# Altium PCB AMC_Single_Panel.PcbDoc (part 1 of 5) (continued)
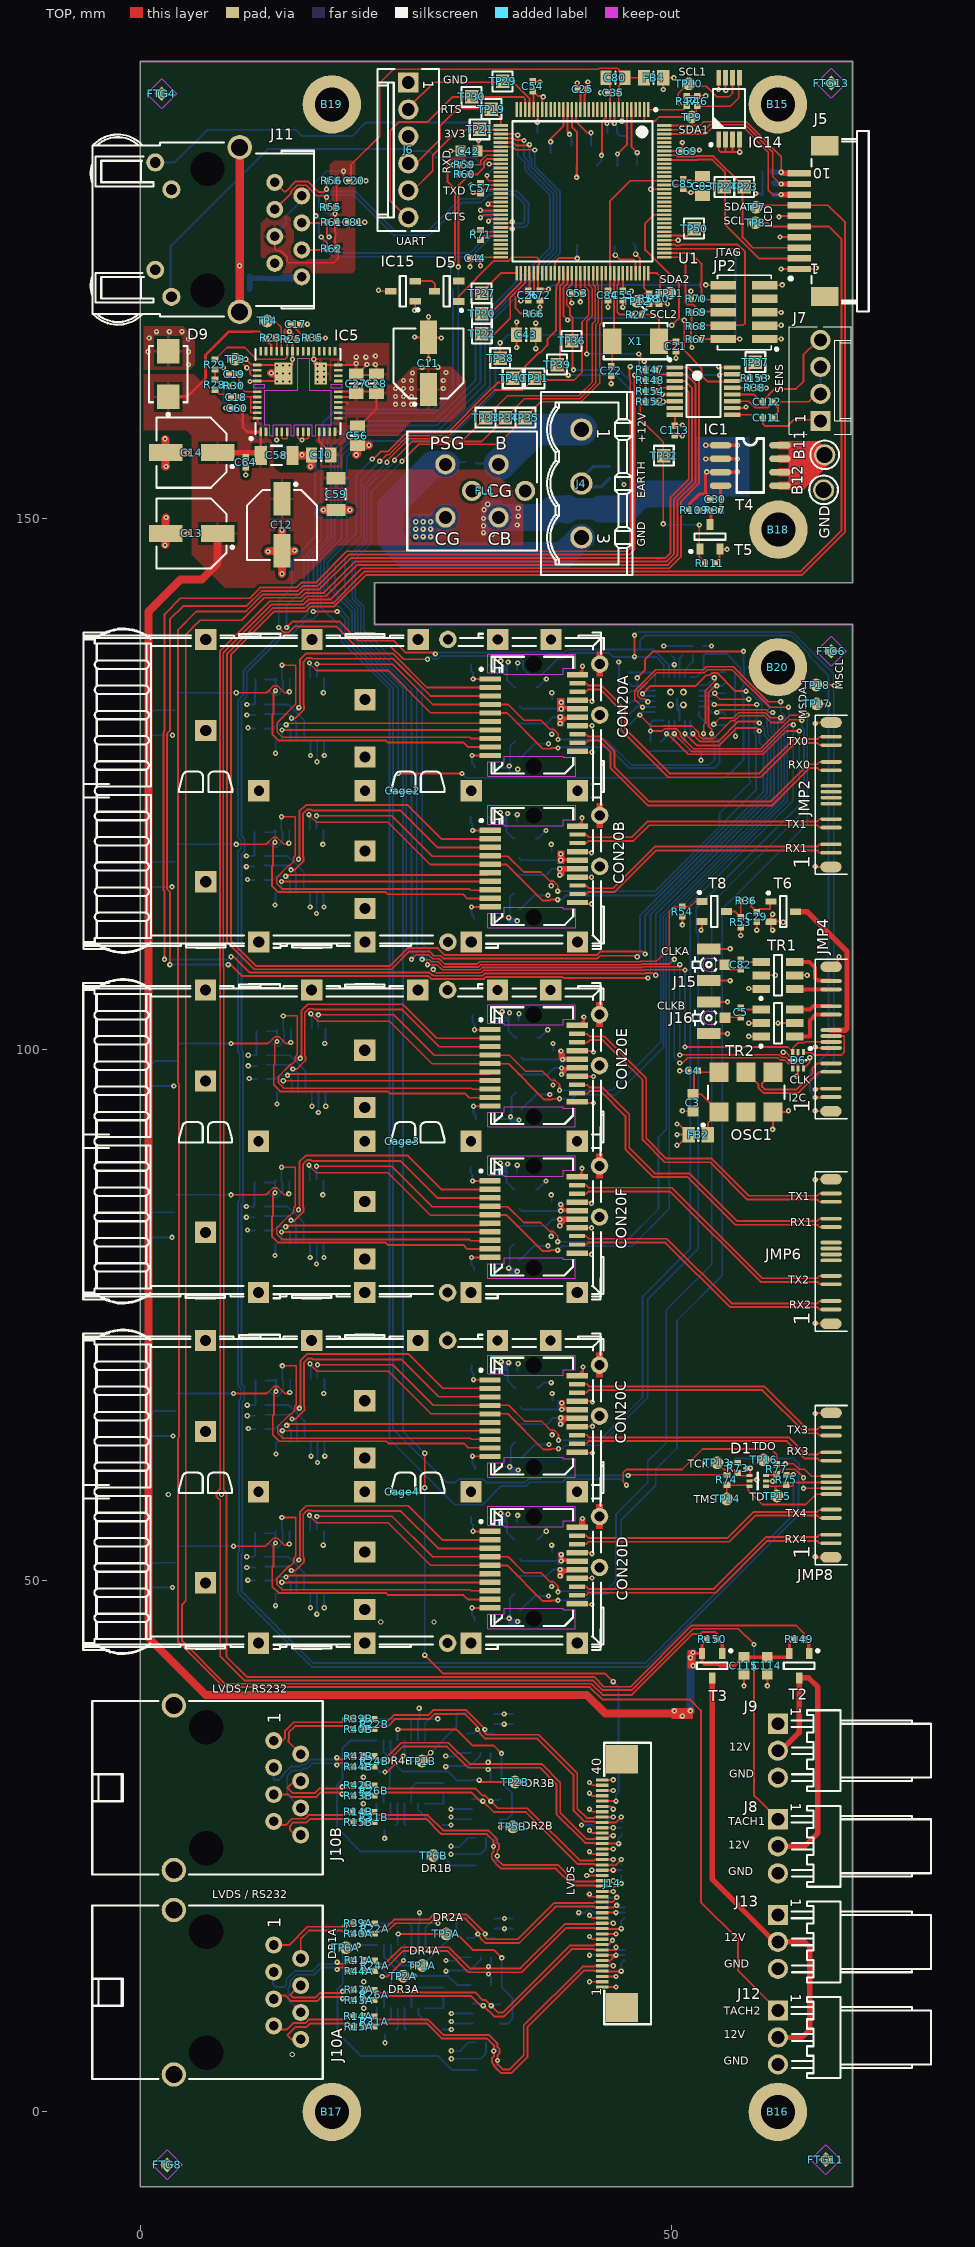
[diagram p0: TOP view]
## Components (designator, comment, footprint, x,y, rotation, side; value= is the part's Value field where it differs from the comment)
B11 "Plated Hole" c200h150 64.4,156 r90 top
B12 "Plated Hole" c200h150 64.3,152.7 r90 top
B15 "Plated Hole" MTG320_550 60,189 r0 top locked
B16 "Plated Hole" MTG320_550 60,0 r0 top
B17 "Plated Hole" MTG320_550 18,0 r0 top
B18 "Plated Hole" MTG320_550 60.05,148.95 r0 top locked
B19 "Plated Hole" MTG320_550 18,189 r0 top locked
B20 "Plated Hole" MTG320_550 60,136 r0 top locked
C3 "1uF" CAPC1608X87N 52,95 r90 top
C4 "100nF" CAPC1005X55N 52,98 r0 top
C5 "100nF" CAPC1005X55N 56.5,103.5 r270 top
C6A "100nF" CAPC1005X55N 35.03,17.75 r90 bottom (schematic designator C6)
C6B "100nF" CAPC1005X55N 35,37 r90 bottom (schematic designator C6)
C7A "100nF" CAPC1005X55N 30.03,5.25 r90 bottom (schematic designator C7)
C7B "100nF" CAPC1005X55N 30,24.5 r90 bottom (schematic designator C7)
C8A "100nF" CAPC1005X55N 30,9 r270 bottom (schematic designator C8)
C8B "100nF" CAPC1005X55N 29.97,28.25 r270 bottom (schematic designator C8)
C9A "100nF" CAPC1005X55N 29.53,13.75 r90 bottom (schematic designator C9)
C9B "100nF" CAPC1005X55N 29.5,33 r90 bottom (schematic designator C9)
C10 "10uF" CAPC2012X135N 17,156 r0 top
C11 "100uF" CAPAE660X540N 27.1,164.6 r90 top
C12 "100uF" CAPAE660X540N 13.3,149.4 r270 top
C13 "100uF" CAPAE660X540N 4.8,148.6 r180 top
C14 "100uF" CAPAE660X540N 4.8,156.2 r180 top
C17 "1nF" CAPC1005X55N 14.6,168.3 r0 top
C18 "100nF" CAPC1005X55N 9,161.4 r0 top
C19 "12pF" CAPC1005X55N 8.8,163.6 r0 top
C20 "100nF" CAPC1005X55N 20.1,181.8 r180 top
C21 "12pF" CAPC1005X55N 50.4,166.2 r270 top
C22 "12pF" CAPC1005X55N 44.3,163.9 r270 top
C23 "100nF" CAPC1005X55N 44.4,186.3 r0 bottom
C24 "1nF" CAPC1005X55N 9.8,171.6 r0 bottom
C25 "100nF" CAPC1005X55N 41.6,190.4 r0 top
C26 "100nF" CAPC1005X55N 36.5,171 r90 top
C27 "10uF" CAPC2012X135N 20.3,162.7 r270 top
C28 "10uF" CAPC2012X135N 22.2,162.7 r270 top
C29 "100nF" CAPC1005X55N 58,112.5 r270 top
C30 "100nF" CAPC1005X55N 54.1,151.8 r180 top
C35 "100nF" CAPC1005X55N 44.5,190.1 r180 top
C42 "1uF" CAPC1608X87N 30.9,184.6 r0 top
C43 "10uF" CAPC2012X135N 36.3,167.3 r180 top
C44 "100nF" CAPC1005X55N 31.5,174.5 r0 top
C45A "10uF" CAPC2012X135N 37.25,129.75 r270 bottom (schematic designator C45)
C45B "10uF" CAPC2012X135N 37.205,115.476 r270 bottom (schematic designator C45)
C45C "10uF" CAPC2012X135N 37.293,63.78 r270 bottom (schematic designator C45)
C45D "10uF" CAPC2012X135N 37.242,49.506 r270 bottom (schematic designator C45)
C45E "10uF" CAPC2012X135N 37.38,96.726 r270 bottom (schematic designator C45)
C45F "10uF" CAPC2012X135N 37.205,82.476 r270 bottom (schematic designator C45)
C46A "100nF" CAPC1005X55N 38.75,130.75 r270 bottom (schematic designator C46)
C46B "100nF" CAPC1005X55N 38.705,116.476 r270 bottom (schematic designator C46)
C46C "100nF" CAPC1005X55N 38.793,64.78 r270 bottom (schematic designator C46)
C46D "100nF" CAPC1005X55N 38.742,50.506 r270 bottom (schematic designator C46)
C46E "100nF" CAPC1005X55N 38.88,97.726 r270 bottom (schematic designator C46)
C46F "100nF" CAPC1005X55N 38.705,83.476 r270 bottom (schematic designator C46)
C47A "10uF" CAPC2012X135N 32,136 r180 bottom (schematic designator C47)
C47B "10uF" CAPC2012X135N 31.955,121.976 r180 bottom (schematic designator C47)
C47C "10uF" CAPC2012X135N 32.043,70.28 r180 bottom (schematic designator C47)
C47D "10uF" CAPC2012X135N 31.992,56.006 r180 bottom (schematic designator C47)
C47E "10uF" CAPC2012X135N 32.13,103.226 r180 bottom (schematic designator C47)
C47F "10uF" CAPC2012X135N 31.955,88.976 r180 bottom (schematic designator C47)
C48A "1uF" CAPC1608X87N 32.25,126.5 r0 bottom (schematic designator C48)
C48B "1uF" CAPC1608X87N 32.205,112.226 r0 bottom (schematic designator C48)
C48C "1uF" CAPC1608X87N 32.293,60.53 r0 bottom (schematic designator C48)
C48D "1uF" CAPC1608X87N 32.242,46.256 r0 bottom (schematic designator C48)
C48E "1uF" CAPC1608X87N 32.38,93.476 r0 bottom (schematic designator C48)
C48F "1uF" CAPC1608X87N 32.205,79.226 r0 bottom (schematic designator C48)
C49A "100nF" CAPC1005X55N 35.25,127.5 r0 bottom (schematic designator C49)
C49B "100nF" CAPC1005X55N 35.205,113.226 r0 bottom (schematic designator C49)
C49C "100nF" CAPC1005X55N 35.293,61.53 r0 bottom (schematic designator C49)
C49D "100nF" CAPC1005X55N 35.242,47.256 r0 bottom (schematic designator C49)
C49E "100nF" CAPC1005X55N 35.38,94.476 r0 bottom (schematic designator C49)
C49F "100nF" CAPC1005X55N 35.205,80.226 r0 bottom (schematic designator C49)
C50A "100nF" CAPC1005X55N 35,135.75 r0 bottom (schematic designator C50)
C50B "100nF" CAPC1005X55N 34.955,121.476 r0 bottom (schematic designator C50)
C50C "100nF" CAPC1005X55N 35.043,69.78 r0 bottom (schematic designator C50)
C50D "100nF" CAPC1005X55N 34.992,55.506 r0 bottom (schematic designator C50)
C50E "100nF" CAPC1005X55N 35.13,102.726 r0 bottom (schematic designator C50)
C50F "100nF" CAPC1005X55N 34.955,88.476 r0 bottom (schematic designator C50)
C51A "10uF" CAPC2012X135N 37.25,133.25 r90 bottom (schematic designator C51)
C51B "10uF" CAPC2012X135N 37.205,118.976 r90 bottom (schematic designator C51)
C51C "10uF" CAPC2012X135N 37.293,67.28 r90 bottom (schematic designator C51)
C51D "10uF" CAPC2012X135N 37.242,53.006 r90 bottom (schematic designator C51)
C51E "10uF" CAPC2012X135N 37.38,100.226 r90 bottom (schematic designator C51)
C51F "10uF" CAPC2012X135N 37.205,85.976 r90 bottom (schematic designator C51)
C52A "100nF" CAPC1005X55N 38.75,132.5 r90 bottom (schematic designator C52)
C52B "100nF" CAPC1005X55N 38.705,118.226 r90 bottom (schematic designator C52)
C52C "100nF" CAPC1005X55N 38.793,66.53 r90 bottom (schematic designator C52)
C52D "100nF" CAPC1005X55N 38.742,52.256 r90 bottom (schematic designator C52)
C52E "100nF" CAPC1005X55N 38.88,99.476 r90 bottom (schematic designator C52)
C52F "100nF" CAPC1005X55N 38.705,85.226 r90 bottom (schematic designator C52)
C53 "100nF" CAPC1005X55N 41.1,171.2 r180 top
C54 "100nF" CAPC1005X55N 36.9,190.7 r270 top
C55 "100nF" CAPC1005X55N 45.4,171 r90 top
C56 "10uF" CAPC2012X135N 20.4,157.8 r90 top
C57 "100nF" CAPC1005X55N 32,181.1 r90 top
C58 "10uF" CAPC3216X140N 12.8,155.95 r180 top
C59 "10uF" CAPC3216X140N 18.4,152.3 r90 top
C60 "100nF" CAPC1005X55N 9.1,160.4 r0 top
C63 "100nF" CAPC1005X55N 31.1,155.3 r0 bottom
C64 "100nF" CAPC1005X55N 9.9,155.3 r90 top
C67A "100nF" CAPC1005X55N 26.75,17.75 r0 bottom (schematic designator C67)
C67B "100nF" CAPC1005X55N 26.72,37 r0 bottom (schematic designator C67)
C69 "100nF" CAPC1005X55N 51.4,184.6 r180 top
C70A "100nF" CAPC1005X55N 28.53,11.25 r270 bottom (schematic designator C70)
C70B "100nF" CAPC1005X55N 28.5,30.5 r270 bottom (schematic designator C70)
C71A "100nF" CAPC1005X55N 24.53,7.75 r0 bottom (schematic designator C71)
C71B "100nF" CAPC1005X55N 24.5,27 r0 bottom (schematic designator C71)
C72A "100nF" CAPC1005X55N 28.03,7.75 r0 bottom (schematic designator C72)
C72B "100nF" CAPC1005X55N 28,27 r0 bottom (schematic designator C72)
C73 "1nF" CAPC1005X55N 44.6,153.8 r180 bottom
C80 "10uF" CAPC2012X135N 44.7,191.5 r180 top
C81 "100nF" CAPC1005X55N 20,177.9 r180 top
C82 "100nF" CAPC1005X55N 56.5,108 r270 top
C83 "10uF" CAPC2012X135N 52.9,181.3 r270 top
C84 "100nF" CAPC1005X55N 44,171 r90 top
C85 "100nF" CAPC1005X55N 51.1,181.5 r90 top
C88A "100nF" CAPC1005X55N 23,7.75 r270 bottom (schematic designator C88)
C88B "100nF" CAPC1005X55N 22.97,27 r270 bottom (schematic designator C88)
C111 "1nF" CAPC1005X55N 59,159.5 r180 top
C112 "1nF" CAPC1005X55N 59,161 r180 top
C113 "100nF" CAPC1005X55N 50.3,158.3 r90 top
C114 "1uF" CAPC1608X87N 59,42 r90 top
C115 "1uF" CAPC1608X87N 56.8,42 r90 top
C175 "100nF" CAPC1005X55N 50,137.55 r270 bottom
Cage2 "SFP+" TYCO_2007263-1 37.025,124.375 r0 top locked
Cage3 "SFP+" TYCO_2007263-1 37,91.375 r0 top locked
Cage4 "SFP+" TYCO_2007263-1 37,58.375 r0 top locked
CON20A "1888247-1" TYCO_1888247-1 37.025,131.5 r0 top (schematic designator CON20)
CON20B "1888247-1" TYCO_1888247-1 37.025,117.25 r0 top (schematic designator CON20)
CON20C "1888247-1" TYCO_1888247-1 37,65.5 r0 top (schematic designator CON20)
CON20D "1888247-1" TYCO_1888247-1 37,51.25 r0 top (schematic designator CON20)
CON20E "1888247-1" TYCO_1888247-1 37,98.5 r0 top (schematic designator CON20)
CON20F "1888247-1" TYCO_1888247-1 37,84.25 r0 top (schematic designator CON20)
D1 "NUP4114UPXV6T1G" SOTFL50P160X60-6N 58.1,59.4 r0 top
D3A "Device" SOTFL50P160X60-6N 44.75,18.75 r180 bottom (schematic designator D3)
D3B "Device" SOTFL50P160X60-6N 44.5,26.75 r180 bottom (schematic designator D3)
D4A "Device" SOTFL50P160X60-6N 44.75,14.75 r180 bottom (schematic designator D4)
D4B "Device" SOTFL50P160X60-6N 44.5,22.75 r180 bottom (schematic designator D4)
D5 "BAT54" SOT95P240X130-3N 28.8,171.4 r180 top
D6 "NUP4114UPXV6T1G" SOTFL50P160X60-6N 61.9,99 r270 top
D7 "NUP4114UPXV6T1G" SOTFL50P160X60-6N 17.3,178.5 r90 bottom
D9 "SMBJ12A" DIOM5336X265N 2.6,163.6 r90 top
FB2 "220R@100MHz" INDC2012X105N 52.5,92 r0 top
FB4 "220R@100MHz" INDC2012X105N 48.3,191.5 r180 top
FB5A "220R@100MHz" INDC2012X105N 35.25,129.75 r90 bottom (schematic designator FB5)
FB5B "220R@100MHz" INDC2012X105N 35.205,115.476 r90 bottom (schematic designator FB5)
FB5C "220R@100MHz" INDC2012X105N 35.293,63.78 r90 bottom (schematic designator FB5)
FB5D "220R@100MHz" INDC2012X105N 35.242,49.506 r90 bottom (schematic designator FB5)
FB5E "220R@100MHz" INDC2012X105N 35.38,96.726 r90 bottom (schematic designator FB5)
FB5F "220R@100MHz" INDC2012X105N 35.205,82.476 r90 bottom (schematic designator FB5)
FB6A "220R@100MHz" INDC2012X105N 35.25,133.25 r270 bottom (schematic designator FB6)
FB6B "220R@100MHz" INDC2012X105N 35.205,118.976 r270 bottom (schematic designator FB6)
FB6C "220R@100MHz" INDC2012X105N 35.293,67.28 r270 bottom (schematic designator FB6)
FB6D "220R@100MHz" INDC2012X105N 35.242,53.006 r270 bottom (schematic designator FB6)
FB6E "220R@100MHz" INDC2012X105N 35.38,100.226 r270 bottom (schematic designator FB6)
FB6F "220R@100MHz" INDC2012X105N 35.205,85.976 r270 bottom (schematic designator FB6)
FL1 "15A/25VDC" FIL_MURATA_BNX016 31.2,152.6 r0 top
FTG3 "Use only in PCB" FIDUCIAL_TOP_S100-200 2.5,-5 r90 bottom
FTG4 "Use only in PCB" FIDUCIAL_TOP_S100-200 2,190 r90 top
FTG6 "Use only in PCB" FIDUCIAL_TOP_S100-200 65,137.5 r90 top
FTG8 "Use only in PCB" FIDUCIAL_TOP_S100-200 2.5,-5 r90 top
FTG9 "Use only in PCB" FIDUCIAL_TOP_S100-200 64.5,-4.5 r90 bottom
FTG10 "Use only in PCB" FIDUCIAL_TOP_S100-200 65,191 r90 bottom
FTG11 "Use only in PCB" FIDUCIAL_TOP_S100-200 64.5,-4.5 r90 top
FTG12 "Use only in PCB" FIDUCIAL_TOP_S100-200 65,137.5 r90 bottom
FTG13 "Use only in PCB" FIDUCIAL_TOP_S100-200 65,191 r90 top
IC1 "MAX6639AEE+" SOP63P600X175-16N 53,162 r0 top
IC2A "SN65LVDS2DBVR" SOT95P280X145-5N 32.03,17.25 r180 bottom (schematic designator IC2)
IC2B "SN65LVDS2DBVR" SOT95P280X145-5N 32,36.5 r180 bottom (schematic designator IC2)
IC3A "PCA9534PW" SOP65P640X110-16N 15,132 r90 bottom (schematic designator IC3)
IC3B "PCA9534PW" SOP65P640X110-16N 14.955,117.726 r90 bottom (schematic designator IC3)
IC3C "PCA9534PW" SOP65P640X110-16N 15.043,66.03 r90 bottom (schematic designator IC3)
IC3D "PCA9534PW" SOP65P640X110-16N 14.992,51.756 r90 bottom (schematic designator IC3)
IC3E "PCA9534PW" SOP65P640X110-16N 15.13,98.976 r90 bottom (schematic designator IC3)
IC3F "PCA9534PW" SOP65P640X110-16N 14.955,84.726 r90 bottom (schematic designator IC3)
IC4A "SN65LVDS2DBVR" SOT95P280X145-5N 32.03,13.25 r270 bottom (schematic designator IC4)
IC4B "SN65LVDS2DBVR" SOT95P280X145-5N 32,32.5 r270 bottom (schematic designator IC4)
IC5 "MIC45116-1YMP" MICROCHIP_H3QFN88-52LD-PL-3 14.8,161.95 r90 top
IC10A "MAX3232CPW" SOP65P640X120-16N 24.53,12.75 r90 bottom (schematic designator IC10)
IC10B "MAX3232CPW" SOP65P640X120-16N 24.5,32 r90 bottom (schematic designator IC10)
IC11A "SN65LVDS1DBVT" SOT95P280X145-5N 32.53,9.25 r0 bottom (schematic designator IC11)
IC11B "SN65LVDS1DBVT" SOT95P280X145-5N 32.5,28.5 r0 bottom (schematic designator IC11)
IC13A "SN65LVDS1DBVT" SOT95P280X145-5N 32.53,5.25 r270 bottom (schematic designator IC13)
IC13B "SN65LVDS1DBVT" SOT95P280X145-5N 32.5,24.5 r270 bottom (schematic designator IC13)
IC14 "AT24MAC602-XHM-T" TSSOP-8 55.4,188.6 r90 top
IC15 "STM809SWX6F" SOT95P237X112-3N 24.7,171.4 r180 top
IC16 "MAX7357ETG+" HVQFN24 50.5,133.05 r180 bottom
J4 "Family" PHOENIX_1755749 41.5,153.3 r270 top locked
J5 "FFC" "WURTH_686 110 144 22" 62,178 r90 top locked
J6 "KK®" MOLEX_22-27-2061 25.2,184.7 r270 top locked
J7 "KK®" MOLEX_22-27-2041 64,163 r90 top locked
J8 "KK®" MOLEX_22-05-7038 60,25 r270 top locked
J9 "KK®" MOLEX_22-05-7038 60,34 r270 top locked
J10A "RJ45" FCI_95678-001LF 13.8,11.26 r90 top locked (schematic designator J10)
J10B "RJ45" FCI_95678-001LF 13.8,30.51 r90 top locked (schematic designator J10)
J11 "RJ45" TYCO_5-6605308-1 13.9,177.2 r270 top locked
J12 "KK®" MOLEX_22-05-7038 60,7 r270 top locked
J13 "KK®" MOLEX_22-05-7038 60,16 r270 top locked
J14 "68714014022" 68714014022 45.5,21.5 r90 top locked
J15 "U.FL" HIROSE_U.FL-R-SMT-1(10) 53.5,108 r90 top
J16 "U.FL" HIROSE_U.FL-R-SMT-1(10) 53.5,103 r90 top
JMP2 "DNP" 3M_Twinax_SL8801/12-10DA5-00 65,124 r90 top
JMP4 "DNP" 3M_Twinax_SL8801/12-10DA5-00 65,101 r90 top
JMP6 "DNP" 3M_Twinax_SL8801/12-10DA5-00 65,81 r90 top
JMP8 "DNP" 3M_Twinax_SL8801/12-10DA5-00 65,59 r90 top
JP2 "PLHTD10S-TR-CV" PLHTD10S-TR-CV 56.8,172.6 r90 top
LD1A "LED_AVAGO_HSME-C120" LED_AVAGO_HSME-C120 1,130.6 r270 bottom locked (schematic designator LD1)
LD1B "LED_AVAGO_HSME-C120" LED_AVAGO_HSME-C120 0.955,116.326 r270 bottom locked (schematic designator LD1)
LD1C "LED_AVAGO_HSME-C120" LED_AVAGO_HSME-C120 1.043,64.63 r270 bottom locked (schematic designator LD1)
LD1D "LED_AVAGO_HSME-C120" LED_AVAGO_HSME-C120 0.992,50.356 r270 bottom locked (schematic designator LD1)
LD1E "LED_AVAGO_HSME-C120" LED_AVAGO_HSME-C120 1.13,97.576 r270 bottom locked (schematic designator LD1)
LD1F "LED_AVAGO_HSME-C120" LED_AVAGO_HSME-C120 0.955,83.326 r270 bottom locked (schematic designator LD1)
OSC1 "100MHz" OSC_CRYSTEK_CCLD-033 57,96 r90 top
R14A "0" RESC1005X40N#1 20.5,9 r0 top (schematic designator R14)
R14B "0" RESC1005X40N#1 20.47,28.25 r0 top (schematic designator R14)
R15A "0" RESC1005X40N#1 20.53,8 r0 top (schematic designator R15)
R15B "0" RESC1005X40N#1 20.5,27.25 r0 top (schematic designator R15)
R16A "0" RESC1005X40N#1 20.5,17.75 r0 bottom (schematic designator R16)
R16B "0" RESC1005X40N#1 20.47,37 r0 bottom (schematic designator R16)
R17A "0" RESC1005X40N#1 20.53,14.25 r0 bottom (schematic designator R17)
R17B "0" RESC1005X40N#1 20.5,33.5 r0 bottom (schematic designator R17)
R18A "0" RESC1005X40N#1 20.53,11.5 r0 bottom (schematic designator R18)
R18B "0" RESC1005X40N#1 20.5,30.75 r0 bottom (schematic designator R18)
R19A "0" RESC1005X40N#1 20.53,10.5 r0 bottom (schematic designator R19)
R19B "0" RESC1005X40N#1 20.5,29.75 r0 bottom (schematic designator R19)
R20A "0" RESC1005X40N#1 20.53,13.25 r0 bottom (schematic designator R20)
R20B "0" RESC1005X40N#1 20.5,32.5 r0 bottom (schematic designator R20)
R21A "0" RESC1005X40N#1 20.53,8 r0 bottom (schematic designator R21)
R21B "0" RESC1005X40N#1 20.5,27.25 r0 bottom (schematic designator R21)
R22A "100" RESC1005X40N#1 22.03,17.25 r90 top (schematic designator R22)
R22B "100" RESC1005X40N#1 22,36.5 r90 top (schematic designator R22)
R23 "10k" RESC1005X40N#1 12.25,167 r180 top
R24A "100" RESC1005X40N#1 22.03,13.75 r90 top (schematic designator R24)
R24B "100" RESC1005X40N#1 22,33 r90 top (schematic designator R24)
R25 "2k4" RESC1005X40N#1 14.2,166.9 r180 top
R26A "100" RESC1005X40N#1 22,11 r90 top (schematic designator R26)
R26B "100" RESC1005X40N#1 21.97,30.25 r90 top (schematic designator R26)
R27 "2k" RESC1005X40N#1 46.7,169.2 r0 top
R28 "10k" RESC1005X40N#1 7,162.6 r270 top
R29 "10k" RESC1005X40N#1 7,164.5 r270 top
R30 "1k6" RESC1005X40N#1 8.8,162.5 r180 top
R31A "100" RESC1005X40N#1 22,8.5 r90 top (schematic designator R31)
R31B "100" RESC1005X40N#1 21.97,27.75 r90 top (schematic designator R31)
R32 "49R9" RESC1005X40N#1 45.9,186.3 r90 bottom
R33 "10k" RESC1005X40N#1 9.811,172.799 r0 bottom
R35 "7k5" RESC1005X40N#1 16.2,167 r0 top
R36 "10k" RESC1005X40N#1 57,114 r180 top
R37 "10k" RESC1005X40N#1 54.1,150.8 r180 top
R38 "49R9" RESC1005X40N#1 57.8,162.3 r0 top
R39A "0" RESC1005X40N#1 20.5,17.75 r0 top (schematic designator R39)
R39B "0" RESC1005X40N#1 20.47,37 r0 top (schematic designator R39)
R40A "0" RESC1005X40N#1 20.5,16.75 r0 top (schematic designator R40)
R40B "0" RESC1005X40N#1 20.47,36 r0 top (schematic designator R40)
R41A "0" RESC1005X40N#1 20.53,14.25 r0 top (schematic designator R41)
R41B "0" RESC1005X40N#1 20.5,33.5 r0 top (schematic designator R41)
R42A "0" RESC1005X40N#1 20.53,11.5 r0 top (schematic designator R42)
R42B "0" RESC1005X40N#1 20.5,30.75 r0 top (schematic designator R42)
R43A "0" RESC1005X40N#1 20.53,10.5 r0 top (schematic designator R43)
R43B "0" RESC1005X40N#1 20.5,29.75 r0 top (schematic designator R43)
R44A "0" RESC1005X40N#1 20.53,13.25 r0 top (schematic designator R44)
R44B "0" RESC1005X40N#1 20.5,32.5 r0 top (schematic designator R44)
R46 "2k" RESC1005X40N#1 52.4,189.3 r90 top
R47 "2k" RESC1005X40N#1 51.4,189.3 r90 top
R50 "2k" RESC1005X40N#1 48.8,170.7 r270 top
R51A "10k" RESC1005X40N#1 11.275,134.85 r180 bottom (schematic designator R51)
R51B "10k" RESC1005X40N#1 11.2,120.475 r180 bottom (schematic designator R51)
R51C "10k" RESC1005X40N#1 11.3,68.85 r180 bottom (schematic designator R51)
R51D "10k" RESC1005X40N#1 11.225,54.475 r180 bottom (schematic designator R51)
R51E "10k" RESC1005X40N#1 11.375,101.725 r180 bottom (schematic designator R51)
R51F "10k" RESC1005X40N#1 11.2,87.5 r180 bottom (schematic designator R51)
R52A "10k" RESC1005X40N#1 11.25,131.5 r0 bottom (schematic designator R52)
R52B "10k" RESC1005X40N#1 11.205,117.226 r0 bottom (schematic designator R52)
R52C "10k" RESC1005X40N#1 11.293,65.53 r0 bottom (schematic designator R52)
R52D "10k" RESC1005X40N#1 11.242,51.256 r0 bottom (schematic designator R52)
R52E "10k" RESC1005X40N#1 11.38,98.476 r0 bottom (schematic designator R52)
R52F "10k" RESC1005X40N#1 11.205,84.226 r0 bottom (schematic designator R52)
R53 "10k" RESC1005X40N#1 56.5,112 r270 top
R54 "10k" RESC1005X40N#1 51,113 r90 top
R55 "49R9" RESC1005X40N#1 17.9,179.3 r0 top
R56 "49R9" RESC1005X40N#1 18,181.8 r0 top
R58 "2k" RESC1005X40N#1 47.9,170.7 r270 top
R59 "2k" RESC1005X40N#1 30.5,183.3 r180 top
R60 "2k" RESC1005X40N#1 30.5,182.4 r180 top
R61 "49R9" RESC1005X40N#1 18,177.9 r180 top
R62 "49R9" RESC1005X40N#1 18,175.4 r180 top
R63 "10k" RESC1005X40N#1 59,182.7 r0 bottom
R64 "10k" RESC1005X40N#1 59,181.7 r0 bottom
R65 "10k" RESC1005X40N#1 59,180.6 r0 bottom
R66 "49R9" RESC1005X40N#1 37,169.3 r180 top
R67 "10k" RESC1005X40N#1 52.3,166.9 r0 top
R68 "10k" RESC1005X40N#1 52.3,168.1 r0 top
R69 "10k" RESC1005X40N#1 52.3,169.4 r0 top
R70 "10k" RESC1005X40N#1 52.3,170.7 r0 top
R71 "4k87" RESC1005X40N#1 32,176.7 r270 top
R72 "10k" RESC1005X40N#1 37.6,171 r90 top
R73 "49R9" RESC1005X40N#1 56.2,60.6 r270 top
R74 "49R9" RESC1005X40N#1 55.2,59.5 r270 top
R75 "49R9" RESC1005X40N#1 60.8,59.5 r270 top
R77 "49R9" RESC1005X40N#1 59.9,60.5 r270 top
R89A "10k" RESC1005X40N#1 11.25,132.5 r180 bottom (schematic designator R89)
R89B "10k" RESC1005X40N#1 11.205,118.226 r180 bottom (schematic designator R89)
R89C "10k" RESC1005X40N#1 11.293,66.53 r180 bottom (schematic designator R89)
R89D "10k" RESC1005X40N#1 11.242,52.256 r180 bottom (schematic designator R89)
R89E "10k" RESC1005X40N#1 11.38,99.476 r180 bottom (schematic designator R89)
R89F "10k" RESC1005X40N#1 11.205,85.226 r180 bottom (schematic designator R89)
R90A "10k" RESC1005X40N#1 11.25,130.25 r180 bottom (schematic designator R90)
R90B "10k" RESC1005X40N#1 11.205,115.976 r180 bottom (schematic designator R90)
R90C "10k" RESC1005X40N#1 11.293,64.28 r180 bottom (schematic designator R90)
R90D "10k" RESC1005X40N#1 11.242,50.006 r180 bottom (schematic designator R90)
R90E "10k" RESC1005X40N#1 11.38,97.226 r180 bottom (schematic designator R90)
R90F "10k" RESC1005X40N#1 11.205,82.976 r180 bottom (schematic designator R90)
R91A "10k" RESC1005X40N#1 11.25,133.75 r180 bottom (schematic designator R91)
R91B "10k" RESC1005X40N#1 11.205,119.476 r180 bottom (schematic designator R91)
R91C "10k" RESC1005X40N#1 11.293,67.78 r180 bottom (schematic designator R91)
R91D "10k" RESC1005X40N#1 11.242,53.506 r180 bottom (schematic designator R91)
R91E "10k" RESC1005X40N#1 11.38,100.726 r180 bottom (schematic designator R91)
R91F "10k" RESC1005X40N#1 11.205,86.476 r180 bottom (schematic designator R91)
R93A "330" RESC1608X55N 3.25,132.75 r270 bottom (schematic designator R93)
R93B "330" RESC1608X55N 3.205,118.476 r270 bottom (schematic designator R93)
R93C "330" RESC1608X55N 3.293,66.78 r270 bottom (schematic designator R93)
R93D "330" RESC1608X55N 3.242,52.506 r270 bottom (schematic designator R93)
R93E "330" RESC1608X55N 3.38,99.726 r270 bottom (schematic designator R93)
R93F "330" RESC1608X55N 3.205,85.476 r270 bottom (schematic designator R93)
R105 "10k" RESC1005X40N#1 44.6,154.9 r180 bottom
R109 "10k" RESC1005X40N#1 52.1,150.8 r180 top
R111 "10k" RESC1005X40N#1 53.6,145.8 r180 top
R147 "10k" RESC1005X40N#1 48,164 r180 top
R148 "10k" RESC1005X40N#1 48,163 r180 top
R149 "10k" RESC1005X40N#1 62,44.5 r180 top
R150 "10k" RESC1005X40N#1 53.8,44.5 r180 top
R152 "10k" RESC1005X40N#1 48,161 r0 top
R153 "10k" RESC1005X40N#1 57.8,163.2 r180 top
R154 "10k" RESC1005X40N#1 48,162 r0 top
R184 "2k" RESC1005X40N#2 55.5,135.55 r0 bottom
R185 "2k" RESC1005X40N#2 55.5,134.55 r0 bottom
R186 "2k" RESC1005X40N#2 55.5,133.55 r0 bottom
R187 "2k" RESC1005X40N#2 55.5,132.5 r0 bottom
R188 "2k" RESC1005X40N#2 55.5,131.55 r0 bottom
R189 "2k" RESC1005X40N#2 55.5,130.55 r0 bottom
R190 "2k" RESC1005X40N#2 52,128.55 r270 bottom
R191 "2k" RESC1005X40N#2 51,128.55 r270 bottom
R194 "0" RESC1005X40N#2 51,137.55 r270 bottom
R195 "0" RESC1005X40N#2 52,137.55 r270 bottom
R196 "0" RESC1005X40N#2 45.5,135.55 r0 bottom
R197 "10k" RESC1005X40N#2 53,137.55 r90 bottom
R198 "2k" RESC1005X40N#2 50,128.55 r270 bottom
R199 "2k" RESC1005X40N#2 49,128.55 r270 bottom
R200 "2k" RESC1005X40N#2 48,128.55 r270 bottom
R201 "2k" RESC1005X40N#2 45.5,130.55 r180 bottom
R202 "2k" RESC1005X40N#2 45.5,131.55 r180 bottom
R203 "2k" RESC1005X40N#2 45.5,132.55 r180 bottom
R204 "2k" RESC1005X40N#2 45.5,133.55 r180 bottom
R205 "2k" RESC1005X40N#2 45.5,134.55 r180 bottom
T2 "IRLML6402PBF" SOT95P237X112-3N 62,42 r270 top
T3 "IRLML6402PBF" SOT95P237X112-3N 53.8,42 r270 top
T4 "IRF9310PbF" SO-8 54.6,156.9 r0 top
T5 "BSS138LT1G" SOT95P240X110-3N 53.6,148.3 r90 top
T6 "IRLML6402PBF" SOT95P237X112-3N 60.5,113 r0 top
T8 "BSS138LT1G" SOT95P240X110-3N 54,113 r0 top
TP1A "TP" TP 26.525,13.775 r0 top (schematic designator TP1)
TP1B "TP" TP 26.495,33.025 r90 top (schematic designator TP1)
TP2A "TP" TP 24.725,12.775 r0 top (schematic designator TP2)
TP2B "TP" TP 35.25,31.05 r90 top (schematic designator TP2)
TP3 "TP" TP 8.9,165 r180 top
TP4 "TP" TP 11.9,168.6 r90 top
TP5A "TP" TP 28.775,16.75 r0 top (schematic designator TP5)
TP5B "TP" TP 35.05,26.825 r90 top (schematic designator TP5)
TP6A "TP" TP 19.325,15.45 r0 top (schematic designator TP6)
TP6B "TP" TP 27.575,24.125 r90 top (schematic designator TP6)
TP7 "TP" TP 57.925,179.3 r90 top
TP8 "TP" TP 57.875,177.85 r90 top
TP9 "TP" TP 51.9,187.8 r90 top
TP10 "TP" TP 51.6,190.925 r90 top
TP11 "TP" TP 49.825,171.225 r90 top
TP12 "TP" TP 46.725,170.45 r90 top
TP13 "TP" TP 54.275,61.1 r90 top
TP14 "TP" TP 55.175,57.7 r90 top
TP15 "TP" TP 59.925,57.975 r90 top
TP16 "TP" TP 58.65,61.375 r90 top
TP17 "TP" TP 63.65,132.55 r90 top
TP18 "TP" TP 63.6,134.325 r90 top
TP19 "Test Point" TPS127 33.025,188.55 r0 top
TP20 "Test Point" TPS127 32.125,169.3 r90 top
TP21 "Test Point" TPS127 31.925,186.65 r0 top
TP22 "Test Point" TPS127 32.125,167.4 r90 top
TP23 "Test Point" TPS127 56.825,181.225 r0 top
TP24 "Test Point" TPS127 54.95,181.225 r0 top
TP25 "Test Point" TPS127 46.6,176 r90 bottom
TP26 "Test Point" TPS127 44.7,176 r90 bottom
TP27 "Test Point" TPS127 32.1,171.2 r90 top
TP29 "Test Point" TPS127 34.075,191.15 r0 top
TP30 "Test Point" TPS127 31.15,189.7 r0 top
TP31 "Test Point" TPS127 37.1,163.2 r0 top
TP32 "Test Point" TPS127 49.25,155.925 r0 top
TP33 "Test Point" TPS127 32.475,159.5 r0 top
TP34 "Test Point" TPS127 34.35,159.5 r0 top
TP35 "Test Point" TPS127 36.225,159.5 r0 top
TP36 "Test Point" TPS127 40.575,166.725 r0 top
TP37 "Test Point" TPS127 57.875,164.725 r0 top
TP38 "Test Point" TPS127 33.85,165.1 r0 top
TP39 "Test Point" TPS127 39.2,164.5 r0 top
TP40 "Test Point" TPS127 35.025,163.2 r0 top
TP41 "Test Point" TPS127 41.175,175.775 r180 bottom
TP42 "Test Point" TPS127 42.45,185.125 r180 bottom
TP43 "Test Point" TPS127 41,183.25 r180 bottom
TP44 "Test Point" TPS127 40.55,185.125 r180 bottom
TP45 "Test Point" TPS127 38.65,184.4 r180 bottom
TP46 "Test Point" TPS127 46.75,183.225 r180 bottom
TP47 "Test Point" TPS127 44.825,183.225 r180 bottom
TP48 "Test Point" TPS127 42.95,183.225 r180 bottom
TP49 "Test Point" TPS127 37.35,186.275 r180 bottom
TP50 "Test Point" TPS127 52.1,177.3 r0 top
TR1 "1:2" XFMR_MINI-CIRCUITS_DB1627 60,107 r90 top
TR2 "1:2" XFMR_MINI-CIRCUITS_DB1627 60,102.5 r90 top
U1 "TM4C1294NCPDTT3R" PDT0128A_N 41.6,180.8 r270 top
X1 "NX3225GA-25.000M-STD-CRG-2" XTAL_5.0*3.2 46.6,166.7 r180 top

## Footprints (in the part's own frame and the unit in brackets; to place one, negate y for a bottom-side part, rotate by r counter-clockwise, add the part's x,y. Pads: shape width x height; smd on the part's side, far side on the other; paste and mask are expansions set on the pad)
3M_Twinax_SL8801/12-10DA5-00 [mm]
  oval 1x2 smd: 1(-6.8,0.011) 14(6.8,-0.011)
  oval 0.35x2 smd: 2(-5.46,0.011) 3(-4.67,0.011) 4(-3.09,-0.011) 5(-2.3,-0.011) 6(-0.84,-0.011) 7(-0.28,-0.011) 8(0.28,-0.011) 9(0.84,-0.011) 10(2.3,-0.011) 11(3.09,-0.011) 12(4.67,-0.011) 13(5.46,-0.011)
  silkscreen extent -7.5,-1.5 7.5,1.5
68714014022 [mm] "0.50 mm SMT ZIF Horizontal Top Contact, 40p"
  rect 0.3x1.2 smd: 1(-9.75,2.05) 2(-9.25,2.05) 3(-8.75,2.05) 4(-8.25,2.05) 5(-7.75,2.05) 6(-7.25,2.05) 7(-6.75,2.05) 8(-6.25,2.05) 9(-5.75,2.05) 10(-5.25,2.05) 11(-4.75,2.05) 12(-4.25,2.05) 13(-3.75,2.05) 14(-3.25,2.05) 15(-2.75,2.05) 16(-2.25,2.05) 17(-1.75,2.05) 18(-1.25,2.05) 19(-0.75,2.05) 20(-0.25,2.05) 21(0.25,2.05) 22(0.75,2.05) 23(1.25,2.05) 24(1.75,2.05) 25(2.25,2.05) 26(2.75,2.05) 27(3.25,2.05) 28(3.75,2.05) 29(4.25,2.05) 30(4.75,2.05) 31(5.25,2.05) 32(5.75,2.05) 33(6.25,2.05) 34(6.75,2.05) 35(7.25,2.05) 36(7.75,2.05) 37(8.25,2.05) 38(8.75,2.05) 39(9.25,2.05) 40(9.75,2.05)
  rect 2.7x3 smd: ""(-11.68,0.19) ""(11.68,0.19)
  silkscreen extent -13.25,-2.55 13.25,1.85, body extent -13.2,-2.55 13.2,2.55, height 2.1
c200h150 [mm] "Plated Through Hole: Hole Dia.=1.5mm Pad Dia.=2.0mm, IPC-7251 Level C"
  round 2 hole 1.5: 1(0,0)
  silkscreen extent -1.35,-1.35 1.35,1.35
CAPAE660X540N [mm] "Capacitor, Aluminium Electrolytric, 6.6mm L X 6.6mm W X 5.4mm H, IPC Medium Density"
  rect 3.15x1.6 smd: 1(-2.45,0) 2(2.45,0)
  silkscreen extent -3.95,-3.3 3.3,3.3, body extent -3.9,-3.4 3.9,3.4, height 5.7
CAPC1005X55N [mm] "Chip Capacitor, Body 1.0x0.55mm, IPC Medium Density"
  rect 0.62x0.62 smd: 1(-0.45,0) 2(0.45,0)
  body extent -0.52,-0.27 0.53,0.28, height 0.55
CAPC1608X87N [mm] "Chip Capacitor, Body 1.6x0.8mm IPC Medium Density"
  rect 0.95x1 smd: 1(-0.8,0) 2(0.8,0)
  body extent -0.87,-0.47 0.88,0.48, height 0.87
CAPC2012X135N [mm] "Chip Capacitor, Body 2.0x1.25mm, IPC Medium Density"
  rect 1.05x1.4 smd: 1(-0.9,0) 2(0.9,0)
  silkscreen extent 0,-0.58 0,0.58, body extent -1.05,-0.67 1.05,0.68, height 1.25
CAPC3216X140N [mm] "Chip Capacitor, Body 3.2x1.6mm, IPC Medium Density"
  rect 1.15x1.8 smd: 1(-1.5,0) 2(1.5,0)
  silkscreen extent -0.5,-0.9 0.5,0.9, body extent -1.7,-0.9 1.7,0.9, height 1.4
DIOM5336X265N [mm] "DO-214-AA/SMB Diode, Molded Body; 5.34mm L X 3.625mm W X 2.65mm H, IPC Medium Density"
  rect 2.3x2.15 smd: 1(-2.15,0) 2(2.15,0)
  silkscreen extent -3.92,-1.8 2.65,1.8, body extent -2.7,-1.95 2.7,1.95, height 2.4
FCI_95678-001LF [mm] "1 Port, 8 Positions Shielded Snap PEG, CAT5 RJ45 Horizontal Modular Jack"
  round 1.6 hole 0.9: 1(4.445,1.27) 2(3.175,-1.27) 3(1.905,1.27) 4(0.635,-1.27) 5(-0.635,1.27) 6(-1.905,-1.27) 7(-3.171,1.27) 8(-4.445,-1.27)
  round 1 hole 3.25 unplated mask+1.125: M1(-5.715,7.62) M2(5.715,7.62)
  round 2.3 hole 1.6: SHIELD(-7.745,10.67) SHIELD(7.745,10.67)
  silkscreen extent -8.17,-3.35 8.17,18.35, body extent -8.17,-3.35 8.17,18.35, height 15.27
FIDUCIAL_TOP_S100-200 [mm] "Square Fiducial Target, Top Layer, 1.0mm, Top Solder 2.0mm, Keepout =2.0mm"
  rect 1x1 smd rot 45 paste-0.51 mask+0.5: 1(0,0)
  TOP keep-out region: 1.414,0 0,-1.414 -1.414,0 0,1.414
FIL_MURATA_BNX016 [mm] "Block Type EMIFIL LC Combined Type, BNX01* Series"
  round 1.9 hole 1.2: 1(2.5,2.5) 2(2.5,-2.5) 3(-2.5,2.5) 4(-2.5,-2.5) 4(0,0) 4(5,0)
  silkscreen extent -6.1,-5.6 6.1,5.6, body extent -6.1,-5.6 6.1,5.6, height 12
HIROSE_U.FL-R-SMT-1(10) [mm] "Up to 6GHz Ultra Small Surface Mount Male Coaxial Connectors U.FL Series"
  rect 1x1.05 smd: 1(0,-1.525)
  rect 1.05x2.2 smd: 2(-1.475,0) 2(1.475,0)
  TOP keep-out lines w0.1: -0.6,0 cw(c0,0) 0.6,0 0.6,-0.65 -0.6,-0.65 -0.6,0
  silkscreen extent -0.7,-0.69 0.7,1.55, body extent -1.5,-1.55 1.5,1.55, height 1.25
HVQFN24 [mm]
  oval 0.8x0.25 smd: 1(-2.05,1.25) 2(-2.05,0.75) 3(-2.05,0.25) 4(-2.05,-0.25) 5(-2.05,-0.75) 6(-2.05,-1.25) 13(2.05,-1.25) 14(2.05,-0.75) 15(2.05,-0.25) 16(2.05,0.25) 17(2.05,0.75) 18(2.05,1.25)
  oval 0.25x0.8 smd: 7(-1.25,-2.05) 8(-0.75,-2.05) 9(-0.25,-2.05) 10(0.25,-2.05) 11(0.75,-2.05) 12(1.25,-2.05) 19(1.25,2.05) 20(0.75,2.05) 21(0.25,2.05) 22(-0.25,2.05) 23(-0.75,2.05) 24(-1.25,2.05)
  rect 2.3x2.3 smd: 25(0,0)
  silkscreen extent -3.13,-2.05 2.05,2.05, body extent -2.11,-2.11 2.11,2.11, height 0.4
INDC2012X105N [mm] "Chip Inductor, EIA 0805, Metric 2012, Body 2.0x1.25mm, IPC Medium Density"
  rect 1.15x1.45 smd: 1(-0.9,0) 2(0.9,0)
  silkscreen extent 0,-0.6 0,0.6, body extent -1.1,-0.7 1.1,0.7, height 1.1
LED_AVAGO_HSME-C120 [mm] "Green Chip LED, 2-Leads, Body 1.7x1.1mm, Side Emitting Package"
  rect 0.8x0.7 smd: 1(-1,0) 2(1,0)
  rect 0.4x0.4 smd: 3(0,-0.35)
  silkscreen extent -1.12,-0.92 0.42,0.8, body extent -0.85,-0.3 0.85,0.8, height 0.7
MICROCHIP_H3QFN88-52LD-PL-3 [mm] "MICROCHIP_H3QFN88-52LD-PL-3, 0.50mm Pitch, Square, 52 Pin, 8mm L X 8mm W X 3mm H Body"
  rect 0.8x0.25 smd: 1(-3.8,3.5) 2(-3.8,3) 4(-3.8,2) 5(-3.8,1.5) 6(-3.8,1) 8(-3.8,0) 9(-3.8,-0.5) 10(-3.8,-1) 12(-3.8,-2) 13(-3.8,-2.5) 14(-3.8,-3) 15(-3.8,-3.5) 27(3.8,-3.5) 28(3.8,-3) 29(3.8,-2.5) 30(3.8,-2) 31(3.8,-1.5) 32(3.8,-1) 33(3.8,-0.5) 34(3.8,0) 35(3.8,0.5) 36(3.8,1) 37(3.8,1.5) 38(3.8,2) 39(3.8,2.5) 40(3.8,3) 41(3.8,3.5)
  rect 0.25x0.8 smd: 16(-2.5,-3.8) 17(-2,-3.8) 18(-1.5,-3.8) 19(-1,-3.8) 20(-0.5,-3.8) 21(0,-3.8) 23(1,-3.8) 24(1.5,-3.8) 25(2,-3.8) 26(2.5,-3.8) 42(2.5,3.8) 43(2,3.8) 44(1.5,3.8) 45(1,3.8) 47(0,3.8) 48(-0.5,3.8) 49(-1,3.8) 50(-1.5,3.8) 51(-2,3.8) 52(-2.5,3.8)
  rect 2.1x1.675 smd: 53(1.7,1.363)
  rect 2.1x1.15 smd: 54(1.7,-2.15)
  TOP lines w0.05: 1.7,0.525 1.7,0.525
  TOP keep-out region: 0.375,3.12 0.625,3.12 0.625,4.2 0.375,4.2
  TOP keep-out region: 0.375,-4.2 0.625,-4.2 0.625,-3.12 0.375,-3.12
  TOP keep-out region: -4.2,-1.625 -4.2,-1.375 -3.15,-1.375 -3.15,0.375 -4.2,0.375 -4.2,0.625 -3.15,0.625 -3.15,2.375 -4.2,2.375 -4.2,2.625 -3.15,2.625 -3.15,3.12 0.15,3.12 0.15,0.025 3.15,0.025 3.15,-1.075 0.15,-1.075 0.15,-3.12 -3.15,-3.12 -3.15,-1.625
  silkscreen extent -4.55,-4 4,4.52, body extent -4,-4 4,4, height 3
MOLEX_22-05-7038 [mm] "2.54mm (.100\") Pitch KK® Wire-To-Board Header, Right Angle, With Friction Lock, 3 Circuits"
  rect 1.9x1.9 hole 1.2: 1(-2.54,0)
  round 1.9 hole 1.2: 2(0,-0.005) 3(2.54,0)
  silkscreen extent -3.81,1.3 3.81,14.42, body extent -3.81,-0.32 3.81,14.42, height 5.84
MOLEX_22-27-2041 [mm] "2.54mm (.100\") Pitch KK® Header, Single Row, Vertical, 4 Circuits"
  rect 1.9x1.9 hole 1.2: 1(-3.81,0)
  round 1.9 hole 1.2: 2(-1.27,0) 3(1.27,0) 4(3.81,0)
  silkscreen extent -5.08,-2.88 5.08,2.92, body extent -5.08,-2.88 5.08,2.92, height 11.7
MOLEX_22-27-2061 [mm] "2.54mm (.100\") Pitch KK® Header, Single Row, Vertical, 6 Circuits"
  rect 1.9x1.9 hole 1.2: 1(-6.35,0)
  round 1.9 hole 1.2: 2(-3.81,0) 3(-1.27,0) 4(1.27,0) 5(3.81,0) 6(6.35,0)
  silkscreen extent -7.62,-2.9 7.62,2.9, body extent -7.62,-2.9 7.62,2.9, height 11.7
MTG320_550 [mm] "Plated Through Hole: Hole Dia.=3.2mm Pad Dia.=5.5mm"
  round 5.5 hole 3.2: 1(0,0)
OSC_CRYSTEK_CCLD-033 [mm] "Oscillator, Side Concave, 2.54mm Pitch, 6 Pins, 5.00mm L X 7.00mm W X 1.80mm H, CCLD-033 Series"
  rect 1.8x1.8 smd: 1(-1.875,2.54) 2(-1.875,0) 3(-1.875,-2.54) 4(1.875,-2.54) 5(1.875,0) 6(1.875,2.54)
  silkscreen extent -3.22,-3.6 0.63,4.16, body extent -2.6,-3.6 2.6,3.6, height 1.8
PDT0128A_N [mm] "QFP, 128-Leads, Body 14x14mm, Pitch 0.4mm, IPC Medium Density"
  rrect40% 1.4x0.25 smd: 1(-7.7,6.2) 2(-7.7,5.8) 3(-7.7,5.4) 4(-7.7,5) 5(-7.7,4.6) 6(-7.7,4.2) 7(-7.7,3.8) 8(-7.7,3.4) 9(-7.7,3) 10(-7.7,2.6) 11(-7.7,2.2) 12(-7.7,1.8) 13(-7.7,1.4) 14(-7.7,1) 15(-7.7,0.6) 16(-7.7,0.2) 17(-7.7,-0.2) 18(-7.7,-0.6) 19(-7.7,-1) 20(-7.7,-1.4) 21(-7.7,-1.8) 22(-7.7,-2.2) 23(-7.7,-2.6) 24(-7.7,-3) 25(-7.7,-3.4) 26(-7.7,-3.8) 27(-7.7,-4.2) 28(-7.7,-4.6) 29(-7.7,-5) 30(-7.7,-5.4) 31(-7.7,-5.8) 32(-7.7,-6.2) 65(7.7,-6.2) 66(7.7,-5.8) 67(7.7,-5.4) 68(7.7,-5) 69(7.7,-4.6) 70(7.7,-4.2) 71(7.7,-3.8) 72(7.7,-3.4) 73(7.7,-3) 74(7.7,-2.6) 75(7.7,-2.2) 76(7.7,-1.8) 77(7.7,-1.4) 78(7.7,-1) 79(7.7,-0.6) 80(7.7,-0.2) 81(7.7,0.2) 82(7.7,0.6) 83(7.7,1) 84(7.7,1.4) 85(7.7,1.8) 86(7.7,2.2) 87(7.7,2.6) 88(7.7,3) 89(7.7,3.4) 90(7.7,3.8) 91(7.7,4.2) 92(7.7,4.6) 93(7.7,5) 94(7.7,5.4) 95(7.7,5.8) 96(7.7,6.2)
  rrect40% 0.25x1.4 smd: 33(-6.2,-7.7) 34(-5.8,-7.7) 35(-5.4,-7.7) 36(-5,-7.7) 37(-4.6,-7.7) 38(-4.2,-7.7) 39(-3.8,-7.7) 40(-3.4,-7.7) 41(-3,-7.7) 42(-2.6,-7.7) 43(-2.2,-7.7) 44(-1.8,-7.7) 45(-1.4,-7.7) 46(-1,-7.7) 47(-0.6,-7.7) 48(-0.2,-7.7) 49(0.2,-7.7) 50(0.6,-7.7) 51(1,-7.7) 52(1.4,-7.7) 53(1.8,-7.7) 54(2.2,-7.7) 55(2.6,-7.7) 56(3,-7.7) 57(3.4,-7.7) 58(3.8,-7.7) 59(4.2,-7.7) 60(4.6,-7.7) 61(5,-7.7) 62(5.4,-7.7) 63(5.8,-7.7) 64(6.2,-7.7) 97(6.2,7.7) 98(5.8,7.7) 99(5.4,7.7) 100(5,7.7) 101(4.6,7.7) 102(4.2,7.7) 103(3.8,7.7) 104(3.4,7.7) 105(3,7.7) 106(2.6,7.7) 107(2.2,7.7) 108(1.8,7.7) 109(1.4,7.7) 110(1,7.7) 111(0.6,7.7) 112(0.2,7.7) 113(-0.2,7.7) 114(-0.6,7.7) 115(-1,7.7) 116(-1.4,7.7) 117(-1.8,7.7) 118(-2.2,7.7) 119(-2.6,7.7) 120(-3,7.7) 121(-3.4,7.7) 122(-3.8,7.7) 123(-4.2,7.7) 124(-4.6,7.7) 125(-5,7.7) 126(-5.4,7.7) 127(-5.8,7.7) 128(-6.2,7.7)
  silkscreen extent -7.82,-6.6 6.6,7.02, body extent -8,-8 8,8, height 1.08
PHOENIX_1755749 [mm] "PCB Header, 12A 250 V, Pitch: 2.54mm, 3 Positions, MSTBVA Serie"
  round 2.1 hole 1.4: 1(-5.08,0) 2(0,0) 3(5.08,0)
  silkscreen extent -8.62,-3.8 8.62,4.8, body extent -8.62,-3.8 8.62,4.8, height 12
PLHTD10S-TR-CV [mm] "SMT 1.27 mm dual goldpin"
  rect 0.76x2.4 smd: 1(-5.715,-1.95) 2(-5.715,1.95) 3(-4.445,-1.95) 4(-4.445,1.95) 5(-3.175,-1.95) 6(-3.175,1.95) 7(-1.905,-1.95) 8(-1.905,1.95) 9(-0.635,-1.95) 10(-0.635,1.95)
  silkscreen extent -6.7,-2.58 0.3,2.5, body extent -6.5,-2.15 0.1,2.15, height 4.5
RESC1005X40N#1 [mm] "Chip Resistor, EIA 0402, Metric 1005, Body 1.0x0.5mm, IPC Medium Density"
  rect 0.58x0.62 smd: 1(-0.47,0) 2(0.47,0)
  body extent -0.52,-0.27 0.53,0.28, height 0.4
RESC1005X40N#2 [mm] "Chip Resistor, Body 1.0x0.5mm, IPC Medium Density"
  rect 0.6x0.6 smd: 1(-0.45,0) 2(0.45,0)
  body extent -0.53,-0.28 0.53,0.28, height 0.4
RESC1608X55N [mm] "Chip Resistor, EIA 0603, Metric 1608, Body 1.6x0.8mm, IPC Medium Density"
  rect 0.9x1 smd: 1(-0.8,0) 2(0.8,0)
  body extent -0.87,-0.47 0.88,0.48, height 0.55
SO-8 [mil]
  oval 80x24 smd: 1(0,0) 2(0,-50) 3(0,-100) 4(0,-150) 5(220,-150) 6(220,-100) 7(220,-50) 8(220,0)
  silkscreen extent 60,-175 160,25, body extent -14,-173 230,24, height 69
SOP63P600X175-16N [mm] "SOP, 0.635mm pitch; 16 pin, 3.9mm W X 4.895mm L X 1.75mm H Body, IPC Medium Density"
  rect 1.55x0.4 smd: 1(-2.7,2.222) 2(-2.7,1.587) 3(-2.7,0.953) 4(-2.7,0.318) 5(-2.7,-0.318) 6(-2.7,-0.953) 7(-2.7,-1.587) 8(-2.7,-2.222) 9(2.7,-2.222) 10(2.7,-1.587) 11(2.7,-0.953) 12(2.7,-0.318) 13(2.7,0.318) 14(2.7,0.953) 15(2.7,1.587) 16(2.7,2.222)
  silkscreen extent -3.32,-2.45 1.6,3.07, body extent -3.13,-2.49 3.13,2.49, height 1.75